# KiCad board Led_clock_sector.kicad_pcb (continued)
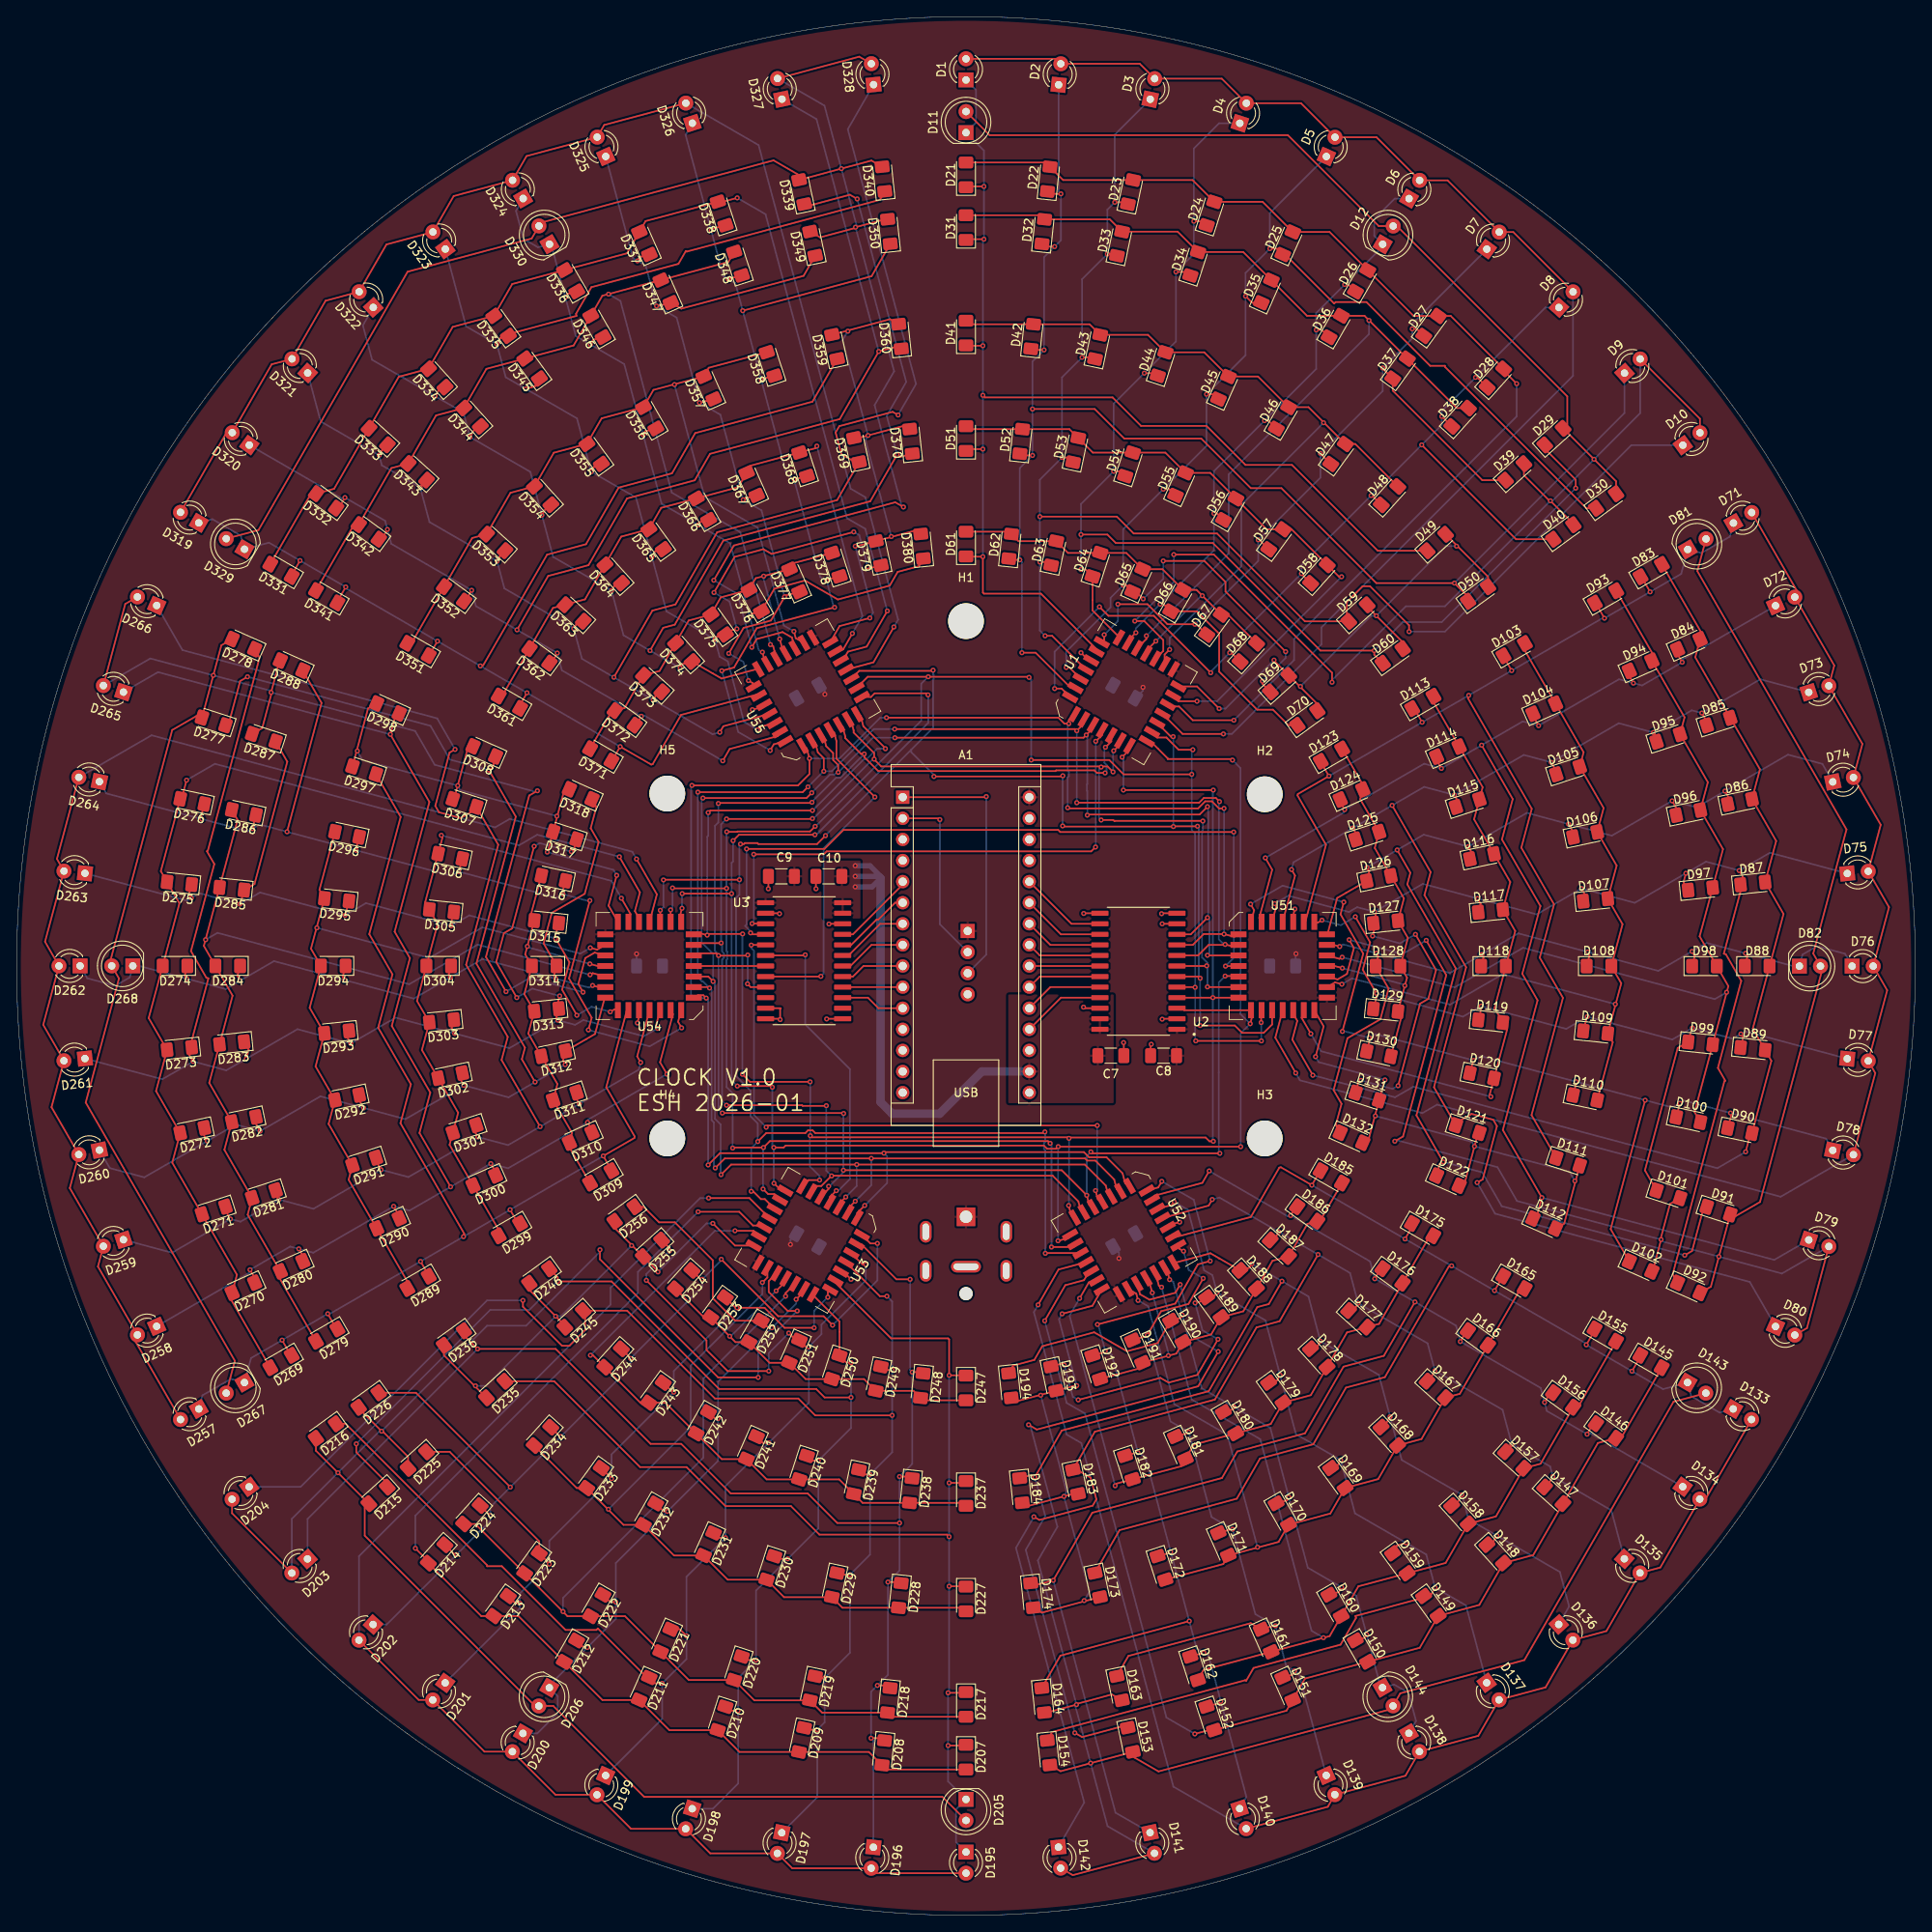
[diagram p0: board, top side]
## Routing (per net, layer and track width the routed paths; a pad name or vN(x,y) marks a point on that pad's centre or on a via; arc(x,y) is an arc through that point) (continued)
  Bottom w0.2: v1(127.4,21.98) 121.5,44.01 123.85,48.08 v1(122.59,52.76) ; v1(148.71,78.45) 155.53,74.51 v1(156.97,69.13) 164.01,65.07 v1(165.36,60.04) 166.75,54.83 v1(174.01,50.64) 174.8,47.69 v1(178.21,45.73) 185.8,41.34 186.91,37.2 D136.1
/Sector3/Se: length 169.9
  Top w0.2: v1(159.41,54.82) 158.99,54.08 D169.1 ; v1(126.13,66.26) 125.84,66.43 D193.1 ; D179.1 151.76,64.42 v1(152.12,65.04) ; v1(144.64,69.36) 142.16,65.07 138.69,64.14 137.7,64.71 v1(127.81,62.06) ; v1(144.52,75) 144.35,74.71 D189.1 143.05,74.05 v1(141.89,73.74) ; U52.2 139.18,85.56 v1(139.37,85.89) ; v1(167.29,44.84) 166.21,44.56 D159.1 ; D154.1 124.67,22.08 147.92,28.31 148.03,28.25 148.92,29.79 159.4,32.6 161.25,35.81 161.19,36.05 169.25,38.21 D149.1 170.35,38.72 v1(170.78,39.46)
  Bottom w0.2: D137.1 174.49,37.32 v1(170.78,39.46) 169.71,43.45 v1(167.29,44.84) 161.13,48.4 v1(159.41,54.82) 154.02,57.93 v1(152.12,65.04) 150.35,71.64 v1(144.52,75) 143.96,77.08 142.97,77.66 141.02,84.94 v1(139.37,85.89) ; v1(141.89,73.74) 142.77,70.44 v1(144.64,69.36) ; v1(126.13,66.26) 127.15,62.45 v1(127.81,62.06)
/Sector3/Sf: length 101.4
  Top w0.2: v1(140.32,72.3) 140.1,71.92 D190.1 137.37,68.9 133.68,67.91 129.72,70.2 123.48,68.53 122.53,66.88 119.96,66.19 D194.1 ; U52.24 138.47,77.82 v1(138.81,76.54) ; D180.1 146.35,60.89 v1(146.54,61.23) ; v1(153.17,50.36) 152.94,49.96 D170.1 ; v1(159.52,39.51) 159.19,38.93 D160.1 ; v1(162.53,33.81) 162.31,33.42 D150.1
  Bottom w0.2: D138.1 168.48,23.41 167.57,26.79 165.83,27.8 D144.1 164.21,27.56 v1(162.53,33.81) 161.28,38.49 v1(159.52,39.51) 155.45,41.86 v1(153.17,50.36) 150.94,58.69 v1(146.54,61.23) 142.69,63.45 v1(140.32,72.3) 139.25,76.29 v1(138.81,76.54)
/Sector3/Sg: length 103.9
  Top w0.2: U52.26 139.97,80.27 v1(140.5,79.97) ; D151.1 153.58,28.97 v1(153.85,29.44) ; D181.1 141.06,58.08 v1(141.12,58.19) ; D171.1 146.36,46.51 v1(146.4,46.5) ; v1(142.86,76.69) 141.08,73.62 137.79,72.73 v1(136.13,69.87) 136.05,69.72 D191.1 ; v1(151.56,34.86) 151.49,34.9 D161.1 148.58,35.18 133.85,31.24 D163.1
  Bottom w0.2: v1(140.5,79.97) 141.1,77.71 v1(142.86,76.69) ; v1(136.13,69.87) 138.92,59.46 v1(141.12,58.19) 143.87,47.96 v1(146.4,46.5) 149.14,36.26 v1(151.56,34.86) 152.86,30.01 v1(153.85,29.44) 154.38,29.13 D139.1
/Sector4/dp: length 122.5
  Top w0.2: U53.4 102.78,80.9 v1(103.63,80.9) ; D226.1 48.08,62.92 v1(59.44,51.56) ; v1(73.91,67.06) 73.91,67.11 D244.1 ; v1(98.23,71.06) 97.16,72.14 91.69,72.14 v1(84.84,78.99) ; D224.1 57.02,48.13 v1(57.02,48.13) ; D254.1 82.38,76.58 v1(82.55,76.58) ; v1(52.96,43.43) 52.75,43.43 D214.1 ; v1(65.53,57.66) 65.43,57.66 D234.1
  Bottom w0.2: v1(84.84,78.99) 84.84,78.87 v1(82.55,76.58) 82.55,75.69 v1(73.91,67.06) 73.91,66.04 v1(65.53,57.66) 57.02,49.15 v1(57.02,48.13) 57.02,47.5 v1(52.96,43.43) 44.55,35.02 D202.1 ; v1(98.23,71.06) 103.63,76.45 v1(103.63,80.9)
/Sector4/LD1: length 164.3
  Top w0.2: D195.2 103.48,5.08 D196.2 93.38,5.68 D197.2 83.51,7.47 D198.2 73.97,10.43 D199.2 64.88,14.52 D200.2 56.33,19.71 D201.2 48.41,25.94 D202.2 ; v1(83.31,86.36) 88.22,86.36 U53.15
  Bottom w0.2: D202.2 41.22,43.25 71.5,73.53 71.5,75.56 82.3,86.36 v1(83.31,86.36)
/Sector4/LD2: length 140.8
  Top w0.2: D207.2 104.72,17.56 D208.2 102.6,19.68 D209.2 87.03,19.68 D210.2 78.58,22.3 D211.2 70.53,25.93 D212.2 60.42,36.04 D213.2 55.94,36.04 D214.2 49.57,42.63 v1(48.01,44.2) ; v1(82.04,84.71) 87,84.71 88.65,83.06 89.79,83.06 U53.16
  Bottom w0.2: v1(82.04,84.71) 74.8,77.47 74.8,74.93 48.01,48.13 v1(48.01,44.2)
/Sector4/LD3: length 121.1
  Top w0.2: D217.2 105.35,23.91 D218.2 96.99,24.41 D219.2 88.82,25.89 D220.2 80.93,28.34 D221.2 73.24,36.02 D222.2 66.32,36.02 D223.2 55.22,47.13 D224.2 ; U53.23 92.58,74.93 v1(92.58,74.55)
  Bottom w0.2: v1(92.58,74.55) 82.68,64.64 82.68,55.12 65.79,38.23 v1(65.79,36.58)
/Sector4/LD4: length 97.2
  Top w0.2: v1(89.79,76.2) 90.39,76.8 U53.20 ; D234.2 67.43,51.45 D233.2 73.07,47.02 D232.2 79.15,43.33 D231.2 85.62,40.41 D230.2 92.4,38.31 D229.2 99.42,37.04 D228.2 113.87,37.04 D227.2
  Bottom w0.2: v1(71.25,48.9) 81.15,58.8 81.15,66.17 89.79,74.8 v1(89.79,76.2)
/Sector4/LD5: length 79.5
  Top w0.2: D237.2 113.94,49.67 D238.2 101.85,49.67 D239.2 99.03,52.49 D240.2 90.3,52.49 D241.2 84.89,54.93 D242.2 78.1,61.72 D243.2 75.1,61.72 D244.2 69.38,67.44 v1(69.09,67.44) ; U53.17 88.69,82.42 v1(86.49,82.42)
  Bottom w0.2: v1(69.09,67.44) 84.07,82.42 v1(86.49,82.42)
/Sector4/LD6: length 50.4
  Top w0.2: D254.2 82.76,72 D253.2 86.55,69.02 D252.2 90.64,66.53 D251.2 94.99,64.57 D250.2 102.01,64.57 D249.2 107.98,63.16 D248.2 109.12,62.01 D247.2 ; v1(91.44,75.18) 92.59,76.33 U53.22
  Bottom w0.2: v1(91.44,75.18) 85.98,69.72 v1(85.85,69.72)
/Sector4/LD7: length 223.1
  Top w0.2: D204.2 25.94,48.41 D203.2 ; v1(70.23,80.14) 70.23,78.99 84.46,64.77 v1(89.28,64.77) ; D216.2 36.04,55.94 v1(38.69,53.29) D215.2 41.91,49.07 41.91,45.72 62.42,25.21 D206.2 64.61,25.21 75.55,14.28 111.45,14.28 D205.2 ; D225.2 47.13,55.22 44.05,58.29 v1(43.94,58.29) 41.17,61.06 D226.2 ; v1(93.98,72.77) 92.84,72.77 90.55,75.06 90.55,76.37 U53.21
  Bottom w0.2: v1(93.98,72.77) 89.28,68.07 v1(89.28,64.77) ; v1(70.23,80.14) 70.23,79.88 61.34,70.99 56.64,70.99 v1(43.94,58.29) 43.69,58.29 v1(38.69,53.29) 33.13,47.74 D203.2
/Sector4/LD8: length 64.6
  Top w0.2: D245.2 66,71.03 v1(64.9,72.14) 61.72,75.31 D246.2 ; D256.2 72,82.76 D255.2 77.22,77.54 v1(77.22,77.47) ; D236.2 51.45,67.43 D235.2 ; v1(83.82,83.31) 86.49,80.64 U53.18
  Bottom w0.2: v1(74.04,80.65) 65.53,72.14 v1(64.9,72.14) 56.52,63.75 v1(55.25,63.75) ; v1(77.22,77.47) 83.06,83.31 v1(83.82,83.31)
/Sector4/Sa: length 152.3
  Top w0.2: v1(112.27,39.62) 114.26,39.62 D227.1 ; D247.1 114.26,65.02 v1(112.27,65.02) 112.27,69.34 112.14,69.47 105.28,69.47 98.59,76.16 U53.27 ; v1(112.27,52.07) 114.08,52.07 D237.1 ; D207.1 114.21,20.45 v1(112.14,20.45) ; v1(112.27,45.59) 112.01,45.85 96.65,45.85 93.22,49.28 85.34,49.28 80.65,53.98 75.06,53.98 64.72,64.31 D235.1 ; v1(112.14,26.8) 114.21,26.8 D217.1
  Bottom w0.2: v1(112.27,65.02) v1(112.27,52.07) v1(112.27,39.62) 112.27,26.92 v1(112.14,26.8) v1(112.14,20.45) 112.14,16.13 D205.1 113.1,12.77 113.1,8.82 D195.1
/Sector4/Sb: length 183
  Top w0.2: U53.3 101.68,80.82 105.92,76.58 v1(107.57,76.58) ; D228.1 106.36,40.13 v1(104.9,40.13) ; v1(106.3,47.24) 98.81,47.24 95.25,50.8 85.98,50.8 80.01,56.77 76.33,56.77 64.9,68.2 v1(55.5,68.2) 53.86,69.84 D236.1 ; D208.1 104.21,21.34 v1(102.87,21.34) ; v1(103.63,27.69) 104.84,27.69 D218.1 ; v1(107.82,65.41) 109,65.41 D248.1 ; v1(106.3,52.83) 107.61,52.83 D238.1
  Bottom w0.2: v1(55.5,68.2) 35.02,47.72 D203.1 ; D196.1 103.15,21.06 v1(102.87,21.34) 102.87,26.92 v1(103.63,27.69) 104.9,28.96 v1(104.9,40.13) 106.3,41.53 v1(106.3,52.83) 107.82,54.36 v1(107.82,65.41) 107.57,65.66 v1(107.57,76.58)
/Sector4/Sc: length 182.7
  Top w0.2: v1(102.74,53.09) 101.96,53.09 D239.1 ; v1(105.41,60.2) 96.14,60.2 94.11,62.23 84.07,62.23 73.5,72.81 D245.1 68.45,72.57 68.45,70.49 66.55,68.58 65.66,68.58 60.96,73.28 v1(60.96,74.04) ; v1(105.41,65.66) 104.45,65.66 D249.1 ; D229.1 98.97,41.02 v1(100.33,41.02) ; D219.1 96.35,28.58 v1(97.28,28.58) ; U53.1 103.93,74.55 v1(104.78,74.55) ; v1(96.39,22.35) 95.04,22.35 D209.1
  Bottom w0.2: D197.1 96.39,14.22 v1(96.39,22.35) 97.28,23.24 v1(97.28,28.58) 100.33,31.62 v1(100.33,41.02) 102.74,43.43 v1(102.74,53.09) 105.41,55.75 v1(105.41,65.66) 105.41,73.91 v1(104.78,74.55) ; v1(60.96,74.04) 56.64,74.04 34.2,51.6 D204.1
/Sector4/Sd: length 162.7
  Top w0.2: v1(96.52,54.74) 95.72,54.74 D240.1 ; U53.25 95.89,74.67 99.06,71.5 99.06,70.26 99.06,70.26 D250.1 99.91,66.55 v1(100.46,66.55) ; D246.1 65.15,76.83 v1(65.15,76.33) 71.63,76.33 84.58,63.37 96.27,63.37 97.28,62.36 v1(100.46,62.36) ; D210.1 85.81,24.64 v1(86.87,24.64) ; v1(40.89,56.77) 40.89,55.75 44.62,52.03 D215.1 ; v1(89.03,30.73) 87.72,30.73 D220.1 ; D230.1 91.53,42.93 v1(92.84,42.93)
  Bottom w0.2: v1(100.46,66.55) 100.46,58.67 v1(96.52,54.74) 96.52,46.61 v1(92.84,42.93) 89.03,39.12 v1(89.03,30.73) 86.87,28.58 v1(86.87,24.64) 86.87,15.88 83.83,12.84 D198.1 ; v1(65.15,76.33) 61.72,72.9 57.02,72.9 v1(40.89,56.77)
/Sector4/Se: length 169.9
  Top w0.2: v1(90.55,65.53) 85.6,65.53 83.06,68.07 83.06,69.22 v1(75.82,76.45) ; v1(92.96,70.1) 93.82,69.25 D251.1 95.04,68.45 v1(95.38,68.45) ; D231.1 84.49,45.47 v1(85.34,45.47) ; D241.1 89.83,56.9 v1(90.55,56.9) ; D221.1 79.86,34.44 v1(80.65,33.66) ; v1(77.72,27.94) 76.87,27.94 D211.1 75.88,28.64 69.98,34.54 69.8,34.37 66.09,34.37 58.42,42.04 56.64,42.04 56.64,42.16 39.62,59.19 D216.1 ; D255.1 78.61,80.34 v1(78.61,80.01) ; U53.2 101.85,78.36 v1(102.24,78.36)
  Bottom w0.2: v1(92.96,70.1) 90.55,67.69 v1(90.55,65.53) ; v1(75.82,76.45) 75.82,77.22 v1(78.61,80.01) ; v1(102.24,78.36) 102.24,76.45 96.9,71.12 96.9,69.98 v1(95.38,68.45) 95.38,61.72 v1(90.55,56.9) 85.34,51.69 v1(85.34,45.47) 80.65,40.77 v1(80.65,33.66) 80.65,30.86 v1(77.72,27.94) 77.72,23.66 D199.1
/Sector4/Sf: length 101.4
  Top w0.2: v1(90.93,70.74) 90.5,70.74 D252.1 86.52,71.59 83.82,74.3 83.82,78.87 79.25,83.44 77.34,83.44 75.47,85.31 D256.1 ; D242.1 84.07,59.82 v1(84.46,59.82) ; D212.1 68.26,32.26 v1(68.71,32.26) ; D222.1 71.47,37.72 v1(72.14,37.72) ; D232.1 77.9,48.64 v1(78.36,48.64) ; v1(93.85,74.17) 94.79,75.1 U53.24
  Bottom w0.2: D200.1 62.68,21.91 65.15,24.38 65.15,26.4 D206.1 64.14,27.69 v1(68.71,32.26) 72.14,35.69 v1(72.14,37.72) 72.14,42.42 v1(78.36,48.64) 84.46,54.74 v1(84.46,59.82) 84.46,64.26 v1(90.93,70.74) 93.85,73.66 v1(93.85,74.17)
/Sector4/Sg: length 103.9
  Top w0.2: D213.1 60.04,37.59 v1(60.58,37.59) ; v1(96.01,70.74) 92.46,70.74 90.04,73.15 v1(86.74,73.15) 86.57,73.15 D253.1 ; D243.1 78.99,62.99 v1(79.12,62.99) ; v1(97.66,74.42) 97.66,75.03 U53.26 ; D233.1 71.63,52.61 v1(71.63,52.58) ; v1(64.14,42.29) 64.14,42.37 D223.1 62.92,45.03 52.14,55.81 D225.1
  Bottom w0.2: v1(86.74,73.15) 79.12,65.53 v1(79.12,62.99) 71.63,55.5 v1(71.63,52.58) 64.14,45.09 v1(64.14,42.29) 60.58,38.74 v1(60.58,37.59) 60.58,36.98 D201.1 ; v1(96.01,70.74) 96.01,72.77 v1(97.66,74.42)
/Sector5/dp: length 122.5
  Top w0.2: U54.4 79.64,107.59 v1(80.06,106.85) ; D306.1 53.26,125.69 v1(53.21,125.67) ; D276.1 22.17,132.19 v1(22.28,132) ; D316.1 65.69,123.1 v1(65.78,122.95) ; D288.1 36.71,145.97 v1(32.56,130.46) ; D296.1 40.83,128.32 v1(40.88,128.23) ; D286.1 28.38,130.84 v1(28.38,130.83) ; v1(69.01,122.18) 66.5,112.81 69.23,108.08 v1(68.84,106.6)
  Bottom w0.2: v1(80.06,106.85) 76.21,104.63 v1(68.84,106.6) ; v1(69.01,122.18) 68.9,122.11 v1(65.78,122.95) 65.01,122.5 v1(53.21,125.67) 52.33,125.16 v1(40.88,128.23) 29.26,131.34 v1(28.38,130.83) 27.83,130.51 v1(22.28,132) 10.79,135.08 D264.1
/Sector5/LD1: length 164.3
  Top w0.2: v1(74.63,127.18) 77.09,122.93 U54.15 ; D264.2 4.85,127.19 D263.2 3.42,117.22 D262.2 3.2,107.22 D261.2 4.2,97.3 D260.2 6.4,87.56 D259.2 9.79,78.12 D258.2 14.32,69.07 D257.2
  Bottom w0.2: D264.2 16.25,142.08 57.62,130.99 59.38,132.01 74.12,128.06 v1(74.63,127.18)
/Sector5/LD2: length 140.8
  Top w0.2: v1(20.46,136.67) 19.89,134.54 D276.2 17.37,125.72 D275.2 19.6,121.85 D274.2 15.9,108.03 D273.2 16.79,99.24 D272.2 18.74,90.62 D271.2 26.53,77.13 D270.2 25.75,74.24 D269.2 ; U54.16 75.01,119.92 74.44,120.91 75.04,123.16 v1(72.57,127.45)
  Bottom w0.2: v1(72.57,127.45) 62.68,130.1 60.48,128.83 23.87,138.64 v1(20.46,136.67)
/Sector5/LD3: length 121.1
  Top w0.2: U54.23 69.37,113.43 v1(69.04,113.24) ; D279.2 31.57,76.87 D280.2 27.82,84.36 D281.2 25.01,92.17 D282.2 23.19,100.23 D283.2 26,110.73 D284.2 22.54,116.72 D285.2 26.61,131.89 D286.2
  Bottom w0.2: v1(69.04,113.24) 55.51,116.87 47.26,112.11 24.18,118.29 v1(22.75,117.46)
/Sector5/LD4: length 97.2
  Top w0.2: D296.2 36.46,123.47 D295.2 35.44,116.38 D294.2 35.28,109.27 D293.2 35.99,102.21 D292.2 37.56,95.29 D291.2 39.97,88.57 D290.2 47.2,76.05 D289.2 ; U54.20 69.89,116.27 v1(69.07,116.49)
  Bottom w0.2: v1(36.15,118.89) 49.68,115.27 56.06,118.95 67.86,115.79 v1(69.07,116.49)
/Sector5/LD5: length 79.5
  Top w0.2: v1(72.81,122.46) 73.91,120.55 U54.17 ; v1(51.13,130.04) 51.28,129.78 D306.2 49.19,121.98 D305.2 50.69,119.37 D304.2 48.2,110.09 D303.2 48.8,104.19 D302.2 53.16,96.63 D301.2 52.12,92.78 D300.2 58.17,82.3 D299.2
  Bottom w0.2: v1(72.81,122.46) 71.6,124.55 v1(51.13,130.04)
/Sector5/LD6: length 50.4
  Top w0.2: v1(69.02,114.55) 70.58,114.13 U54.22 ; D309.2 66.45,92.65 D310.2 66.87,94.21 D311.2 65.11,100.09 D312.2 61.6,106.17 D313.2 61.12,110.92 D314.2 61.23,115.71 D315.2 61.92,120.48 D316.2
  Bottom w0.2: v1(61.49,116.66) 61.56,116.55 v1(69.02,114.55)
/Sector5/LD7: length 223.1
  Top w0.2: U54.21 69.6,115.91 68.46,115.26 67.62,112.14 v1(68.2,111.15) ; D265.2 13.08,157.89 D266.2 ; v1(62.7,135.4) 61.71,134.82 56.5,115.39 v1(58.92,111.21) ; D267.2 26.27,66.77 8.32,97.86 12.32,112.8 D268.2 11.23,114.7 18.73,142.71 21.64,144.39 D277.2 v1(23.68,149.29) 24.65,152.91 D278.2 ; D287.2 29.57,142.94 30.69,147.14 v1(30.64,147.24) 31.65,151.02 D288.2
  Bottom w0.2: D265.2 16.09,151.32 v1(23.68,149.29) 30.51,147.46 v1(30.64,147.24) 47.99,142.59 50.34,138.52 62.48,135.27 v1(62.7,135.4) ; v1(58.92,111.21) 61.78,112.87 v1(68.2,111.15)
/Sector5/LD8: length 64.6
  Top w0.2: v1(63.88,128.01) 63.94,128.05 D317.2 65.85,135.17 D318.2 ; D307.2 52.7,134.5 v1(53.1,136.01) 54.27,140.35 D308.2 ; v1(72.24,125.21) 71.27,121.57 U54.18 ; D298.2 42.31,145.31 D297.2
  Bottom w0.2: v1(65.05,132.35) 53.42,135.46 v1(53.1,136.01) 41.65,139.08 v1(41.02,140.18) ; v1(63.88,128.01) 71.86,125.87 v1(72.24,125.21)
/Sector5/Sa: length 152.3
  Top w0.2: D297.1 46.24,132.25 42.46,118.14 45.25,113.3 43.53,106.88 47.47,100.06 46.21,95.37 53.9,82.07 v1(53.8,81.72) ; U54.27 73.44,108.85 70.99,99.71 74.42,93.77 74.37,93.59 v1(70.63,91.43) 71.63,89.71 D309.1 ; D299.1 60.32,83.39 v1(59.41,84.96) ; D269.1 33,67.46 v1(31.96,69.26) ; D279.1 38.5,70.64 v1(37.46,72.43) ; v1(48.63,78.73) 49.63,77.01 D289.1
  Bottom w0.2: D257.1 22.37,62.61 25.79,64.59 D267.1 28.22,67.1 v1(31.96,69.26) v1(37.46,72.43) 37.64,72.38 v1(48.63,78.73) v1(59.41,84.96) v1(70.63,91.43)
/Sector5/Sb: length 183
  Top w0.2: D300.1 57.74,89.37 v1(57.09,90.51) ; D290.1 46.12,84.11 v1(45.39,85.37) ; v1(28.1,77.73) 28.77,76.56 D270.1 ; U54.3 79.02,108.5 77.46,102.71 v1(78.29,101.28) ; v1(33.98,80.24) 34.58,79.19 D280.1 ; D298.1 45.6,144.43 v1(45,142.18) 49.7,134.05 45.51,118.43 47.35,115.24 45.17,107.09 49.8,99.06 48.5,94.2 v1(52.25,87.71) ; v1(68.74,95.47) 69.33,94.46 D310.1
  Bottom w0.2: D258.1 27.99,77.35 v1(28.1,77.73) 32.94,80.52 v1(33.98,80.24) 35.71,79.78 v1(45.39,85.37) 47.3,84.86 v1(57.09,90.51) 59.17,89.95 v1(68.74,95.47) 68.83,95.82 v1(78.29,101.28) ; v1(45,142.18) 17.02,149.68 D265.1
/Sector5/Sc: length 182.7
  Top w0.2: D311.1 67.27,98.52 v1(67.75,97.69) ; D271.1 25.06,85.02 v1(25.74,83.85) ; U54.1 74.71,103.42 v1(75.13,102.69) ; D301.1 55.14,94.39 v1(55.53,93.71) ; v1(31.57,86.19) 31.11,87 D281.1 ; v1(43.87,89.77) 43.19,90.95 D291.1 ; v1(63.02,94.96) 58.39,102.99 59.13,105.76 54.11,114.45 57.99,128.9 D307.1 55.26,133.15 53.45,132.11 50.85,132.81 50.41,133.58 52.13,140 v1(52.79,140.38)
  Bottom w0.2: D259.1 18.7,79.78 v1(25.74,83.85) 26.95,83.52 v1(31.57,86.19) 35.74,85.07 v1(43.87,89.77) 47.17,88.89 v1(55.53,93.71) 59.17,92.74 v1(67.75,97.69) 74.9,101.82 v1(75.13,102.69) ; D266.1 19.97,152.33 50.63,144.12 v1(52.79,140.38)
/Sector5/Sd: length 162.7
  Top w0.2: v1(62.42,100.33) 60.83,103.08 61.2,104.47 55.36,114.59 60.1,132.28 v1(56.86,137.89) 57.3,138.14 D308.1 ; v1(27.79,149.12) 26.91,148.61 25.55,143.52 D277.1 ; v1(29.31,94.42) 28.66,95.55 D282.1 ; v1(53.85,99.93) 53.45,100.62 D302.1 ; D272.1 22.43,94.15 v1(22.96,93.24) ; v1(41.78,97.21) 41.12,98.34 D292.1 ; v1(66.05,102.42) 65.77,102.89 D312.1 68.56,105.49 68.56,105.49 69.64,106.11 70.8,110.44 U54.25
  Bottom w0.2: v1(66.05,102.42) 59.23,98.49 v1(53.85,99.93) 46.81,95.86 v1(41.78,97.21) 36.57,98.61 v1(29.31,94.42) 26.37,95.21 v1(22.96,93.24) 15.37,88.86 11.22,89.97 D260.1 ; v1(27.79,149.12) 49.83,143.21 52.18,139.15 v1(56.86,137.89)
/Sector5/Se: length 169.9
  Top w0.2: v1(40.23,104.97) 39.81,105.71 D293.1 ; v1(66.78,128.07) 67.07,128.24 D317.1 ; v1(21.24,102.81) 20.81,103.55 D273.1 20.93,104.76 23.09,112.82 22.85,112.88 20.99,116.1 23.8,126.57 22.91,128.11 23.02,128.18 29.25,151.43 D278.1 ; v1(52.73,106.18) 52.37,106.8 D303.1 ; v1(62.31,128.71) 59.66,118.83 58.67,118.25 57.74,114.78 v1(60.21,110.5) ; v1(77.16,106.79) 76.97,107.12 U54.2 ; v1(27.65,103.14) 27.94,104.21 D283.1 ; v1(65.15,107.78) 64.99,108.07 D313.1 65.07,109.53 v1(65.38,110.69)
  Bottom w0.2: v1(60.21,110.5) 62.08,111.57 v1(65.38,110.69) ; v1(62.31,128.71) 62.96,129.1 v1(66.78,128.07) ; D261.1 17.53,100.67 v1(21.24,102.81) 25.23,101.74 v1(27.65,103.14) 33.81,106.69 v1(40.23,104.97) 45.62,108.08 v1(52.73,106.18) 59.33,104.41 v1(65.15,107.78) 67.24,107.22 68.23,107.79 75.51,105.84 v1(77.16,106.79)
/Sector5/Sf: length 101.4
  Top w0.2: v1(26.92,112.54) 26.59,113.11 D284.1 ; D274.1 20.25,113.16 v1(20.47,112.78) ; v1(64.91,112.77) 64.7,113.14 D314.1 63.45,117.02 64.44,120.71 68.4,122.99 70.07,129.24 69.12,130.89 69.8,133.45 D318.1 ; v1(52.21,112.92) 52.02,113.25 D304.1 ; v1(69.34,111.95) 70.62,111.61 U54.24 ; D294.1 39.26,113.01 v1(39.49,112.61)
  Bottom w0.2: D262.1 8.5,112.82 11.88,111.92 13.62,112.92 D268.1 14.23,114.45 v1(20.47,112.78) 25.16,111.52 v1(26.92,112.54) 30.99,114.89 v1(39.49,112.61) 47.82,110.38 v1(52.21,112.92) 56.06,115.14 v1(64.91,112.77) 68.9,111.7 v1(69.34,111.95)
/Sector5/Sg: length 103.9
  Top w0.2: v1(52.3,119.12) 52.23,119.24 D305.1 ; v1(21.03,122.48) 20.76,122.95 D275.1 ; v1(26.88,121.75) 26.94,121.79 D285.1 28.64,124.17 32.59,138.9 D287.1 ; v1(39.53,120.41) 39.56,120.42 D295.1 ; D315.1 64.82,117.75 v1(64.91,117.61) 66.56,114.75 65.67,111.45 v1(67.45,108.37) ; v1(71.47,108.78) 71.99,109.08 U54.26
  Bottom w0.2: v1(71.47,108.78) 69.21,109.39 v1(67.45,108.37) ; D263.1 20.5,122.17 v1(21.03,122.48) 22.02,123.05 v1(26.88,121.75) 29.3,123.15 v1(39.53,120.41) 42.06,121.87 v1(52.3,119.12) 54.5,120.39 v1(64.91,117.61)
/Sector6/dp: length 122.5
  Top w0.2: D378.1 97.62,160.82 v1(97.53,160.67) ; D348.1 85.66,197 v1(85.66,197) ; v1(87.42,193.19) 102.94,197.35 D350.1 ; v1(90.73,140.25) 91.15,140.99 U55.4 ; v1(93.6,172.91) 93.64,172.88 D368.1 ; D338.1 83.73,203.05 v1(83.62,202.87) ; D358.1 89.7,184.96 v1(89.65,184.87) ; v1(84.9,149.85) 86.38,150.24 89.11,154.97 v1(98.48,157.48)
  Bottom w0.2: v1(98.48,157.48) 98.37,157.55 v1(97.53,160.67) 96.76,161.11 v1(93.6,172.91) 92.72,173.42 v1(89.65,184.87) 86.54,196.49 v1(85.66,197) 85.11,197.32 v1(83.62,202.87) 80.54,214.36 D326.1 ; v1(90.73,140.25) 86.88,142.47 v1(84.9,149.85)
/Sector6/LD1: length 164.3
  Top w0.2: v1(105.62,155.12) 103.16,150.87 U55.15 ; D319.2 25.14,178.29 D320.2 30.71,186.74 D321.2 37.2,194.4 D322.2 44.53,201.17 D323.2 52.62,207 D324.2 61.39,211.81 D325.2 70.74,215.55 D326.2
  Bottom w0.2: D326.2 89.33,213.13 100.42,171.76 102.18,170.74 106.13,156 v1(105.62,155.12)
/Sector6/LD2: length 140.8
  Top w0.2: v1(104.82,157.04) 102.35,152.75 100.09,152.15 99.52,151.16 U55.16 ; D331.2 35.33,170.98 D332.2 38.22,171.75 D333.2 46.01,185.24 D334.2 52.5,191.25 D335.2 59.67,196.41 D336.2 73.49,200.11 D337.2 75.72,203.98 D338.2 84.62,206.2 v1(86.76,206.78)
  Bottom w0.2: v1(104.82,157.04) 102.17,166.93 99.97,168.2 90.17,204.81 v1(86.76,206.78)
/Sector6/LD3: length 121.1
  Top w0.2: v1(90.75,153) 91.08,152.8 U55.23 ; D348.2 85.69,199.06 D347.2 70.52,195 D346.2 67.06,189.01 D345.2 56.56,186.2 D344.2 50.5,180.59 D343.2 45.13,174.25 D342.2 40.52,167.26 D341.2
  Bottom w0.2: v1(90.75,153) 87.13,166.53 78.88,171.29 72.7,194.36 v1(71.27,195.19)
/Sector6/LD4: length 97.2
  Top w0.2: D358.2 83.32,186.32 D357.2 76.67,183.66 D356.2 70.43,180.24 D355.2 64.68,176.1 D354.2 59.46,171.27 D353.2 54.85,165.83 D352.2 47.62,153.31 D351.2 ; U55.20 93.8,153.77 v1(93.58,154.59)
  Bottom w0.2: v1(93.58,154.59) 92.37,155.29 89.21,167.08 82.83,170.77 v1(79.21,184.3)
/Sector6/LD5: length 79.5
  Top w0.2: v1(100.62,154.34) 99.52,152.43 U55.17 ; v1(96.34,176.9) 96.2,176.64 D368.2 88.39,174.55 D367.2 86.89,171.95 D366.2 77.61,169.46 D365.2 72.79,166 D364.2 68.43,158.44 D363.2 64.57,157.41 D362.2 58.53,146.94 D361.2
  Bottom w0.2: v1(96.34,176.9) 101.83,156.43 v1(100.62,154.34)
/Sector6/LD6: length 50.4
  Top w0.2: U55.22 92.3,152.1 v1(91.88,153.67) ; D378.2 93.46,162.78 D377.2 88.98,160.99 D376.2 84.78,158.69 D375.2 80.91,155.9 D374.2 77.4,149.82 D373.2 73.19,145.36 D372.2 71.63,144.94 D371.2
  Bottom w0.2: v1(91.88,153.67) 89.88,161.13 v1(89.94,161.24)
/Sector6/LD7: length 223.1
  Top w0.2: v1(106.77,169.56) 105.78,170.13 86.35,164.92 v1(83.94,160.74) ; D327.2 101.44,223.78 D328.2 ; D329.2 29.12,166.79 47.08,197.89 62.01,201.89 D330.2 63.11,203.79 91.12,211.29 94.03,209.62 D339.2 v1(99.29,210.3) 102.91,211.27 D340.2 ; D349.2 96.74,202.03 100.94,203.15 v1(101,203.25) 104.78,204.26 D350.2 ; v1(88.52,152.67) 89.09,153.66 92.21,154.5 93.35,153.85 U55.21
  Bottom w0.2: v1(88.52,152.67) 86.8,159.09 v1(83.94,160.74) ; v1(106.77,169.56) 106.55,169.69 103.3,181.83 105.65,185.9 v1(101,203.25) 101.12,203.47 v1(99.29,210.3) 97.26,217.88 D327.2
/Sector6/LD8: length 64.6
  Top w0.2: D370.2 106.84,179.34 v1(102.51,178.18) 100.99,177.77 D369.2 ; v1(102.72,156.2) 99.08,155.23 U55.18 ; D360.2 105.16,192.18 D359.2 ; v1(100.97,164.84) 101.03,164.81 D379.2 108.15,166.72 D380.2
  Bottom w0.2: v1(105.3,166.01) 102.19,177.63 v1(102.51,178.18) 99.44,189.63 v1(100.07,190.73) ; v1(100.97,164.84) 103.11,156.86 v1(102.72,156.2)
/Sector6/Sa: length 152.3
  Top w0.2: U55.27 89.15,146.99 80,144.54 76.58,138.6 76.4,138.55 v1(72.66,140.71) 71.67,138.98 D371.1 ; v1(34.12,163.11) 33.09,161.32 D331.1 ; v1(61.44,147.19) 60.54,145.62 D361.1 ; D351.1 49.67,151.68 v1(50.67,153.41) ; v1(39.62,159.93) 38.59,158.14 D341.1 ; v1(55.84,150.43) 56.18,150.52 63.87,163.83 68.55,165.08 72.49,171.9 78.91,173.62 81.7,178.46 95.81,182.24 D359.1
  Bottom w0.2: D319.1 23.57,168.09 26.99,166.12 D329.1 30.38,165.27 v1(34.12,163.11) v1(39.62,159.93) 39.67,159.76 v1(50.67,153.41) v1(61.44,147.19) v1(72.66,140.71)
/Sector6/Sb: length 183
  Top w0.2: D360.1 106.04,188.89 v1(103.8,188.29) 99.1,180.15 83.48,175.96 81.64,172.77 73.49,170.59 68.85,162.56 64,161.26 v1(60.25,154.77) ; v1(85.02,139) 85.85,140.43 91.64,141.98 U55.3 ; v1(39.53,170.69) 38.85,169.53 D332.1 ; D372.1 74.63,143.35 v1(75.22,144.37) ; v1(65.09,151.98) 64.43,150.84 D362.1 ; D352.1 54.06,158.28 v1(54.79,159.54) ; v1(44.65,166.86) 44.04,165.81 D342.1
  Bottom w0.2: v1(85.02,139) 75.56,144.46 v1(75.22,144.37) 65.65,149.89 v1(65.09,151.98) 55.3,157.63 v1(54.79,159.54) 45.11,165.12 v1(44.65,166.86) 44.37,167.9 v1(39.53,170.69) 39.15,170.59 D320.1 ; v1(103.8,188.29) 96.3,216.26 D327.1
/Sector6/Sc: length 182.7
  Top w0.2: D353.1 58.53,164.23 v1(57.84,163.05) ; U55.1 85.08,143.17 v1(84.66,142.44) ; D363.1 67.48,155.6 v1(67.09,154.93) ; D333.1 44.32,176.97 v1(43.65,175.79) ; D373.1 77.12,147.16 v1(76.64,146.33) ; v1(71.91,149.06) 76.55,157.09 79.32,157.83 84.34,166.52 98.79,170.39 D369.1 101.1,174.88 99.3,175.92 98.6,178.53 99.05,179.3 105.47,181.02 v1(106.13,180.64) ; D343.1 49.06,172.72 v1(48.59,171.91)
  Bottom w0.2: D328.1 100.07,215.04 108.28,184.38 v1(106.13,180.64) ; D321.1 36.61,179.86 v1(43.65,175.79) 43.97,174.58 v1(48.59,171.91) 49.71,167.75 v1(57.84,163.05) 58.73,159.75 v1(67.09,154.93) 68.06,151.28 v1(76.64,146.33) 83.79,142.2 v1(84.66,142.44)
/Sector6/Sd: length 162.7
  Top w0.2: D370.1 106.45,175.61 v1(106.01,175.86) 102.77,170.25 85.08,165.51 79.23,155.39 77.85,155.02 v1(76.26,152.27) ; v1(54.59,177.98) 55.24,179.11 D344.1 ; v1(79.89,150.18) 80.16,150.65 D374.1 83.8,149.53 83.8,149.53 84.88,148.91 89.21,150.07 U55.25 ; D339.1 95.23,205.79 100.32,207.16 v1(101.2,206.65) ; v1(71.63,159.49) 72.03,160.18 D364.1 ; v1(50.39,182.9) 50.91,183.81 D334.1 ; D354.1 63.89,169.72 v1(63.24,168.59)
  Bottom w0.2: D322.1 41.69,191.43 42.8,187.28 v1(50.39,182.9) 53.8,180.93 v1(54.59,177.98) 61.85,173.79 v1(63.24,168.59) 64.59,163.56 v1(71.63,159.49) 73.07,154.11 v1(79.89,150.18) ; v1(101.2,206.65) 107.1,184.62 104.75,180.55 v1(106.01,175.86)
/Sector6/Se: length 169.9
  Top w0.2: D355.1 69.61,174.54 v1(69.19,173.81) ; v1(102.47,162.36) 102.76,162.2 D379.1 ; U55.2 89.42,143.06 v1(89.23,142.73) ; v1(100.79,166.56) 90.9,163.91 89.91,164.48 86.44,163.55 v1(83.96,159.26) ; v1(76.48,163.58) 76.84,164.21 D365.1 ; D340.1 103.93,206.54 80.68,200.31 80.57,200.38 79.68,198.84 69.2,196.03 67.35,192.82 67.41,192.58 59.35,190.42 D335.1 58.25,189.91 v1(57.82,189.17) ; v1(84.08,153.62) 84.25,153.91 D375.1 85.55,154.58 v1(86.71,154.89) ; v1(61.31,183.78) 62.39,184.07 D345.1
  Bottom w0.2: v1(100.79,166.56) 101.45,166.18 v1(102.47,162.36) ; v1(89.23,142.73) 87.58,143.68 85.63,150.97 84.64,151.54 v1(84.08,153.62) 78.25,156.99 v1(76.48,163.58) 74.58,170.69 v1(69.19,173.81) 67.47,180.22 v1(61.31,183.78) 58.89,185.18 v1(57.82,189.17) 54.11,191.31 D323.1 ; v1(86.71,154.89) 85.83,158.18 v1(83.96,159.26)
